# Altium PCB main Var2.PcbDoc (part 1 of 2)
Units mil, origin at the board's own origin, x right, y up, seen from the top; angles counter-clockwise.
Board outline 6000 x 4000 mil, 2 copper layers (Top Layer, Bottom Layer); 262 components, 263 nets, 1037 pads, 23 vias.
Unrouted connection lines stored in the file: 705.
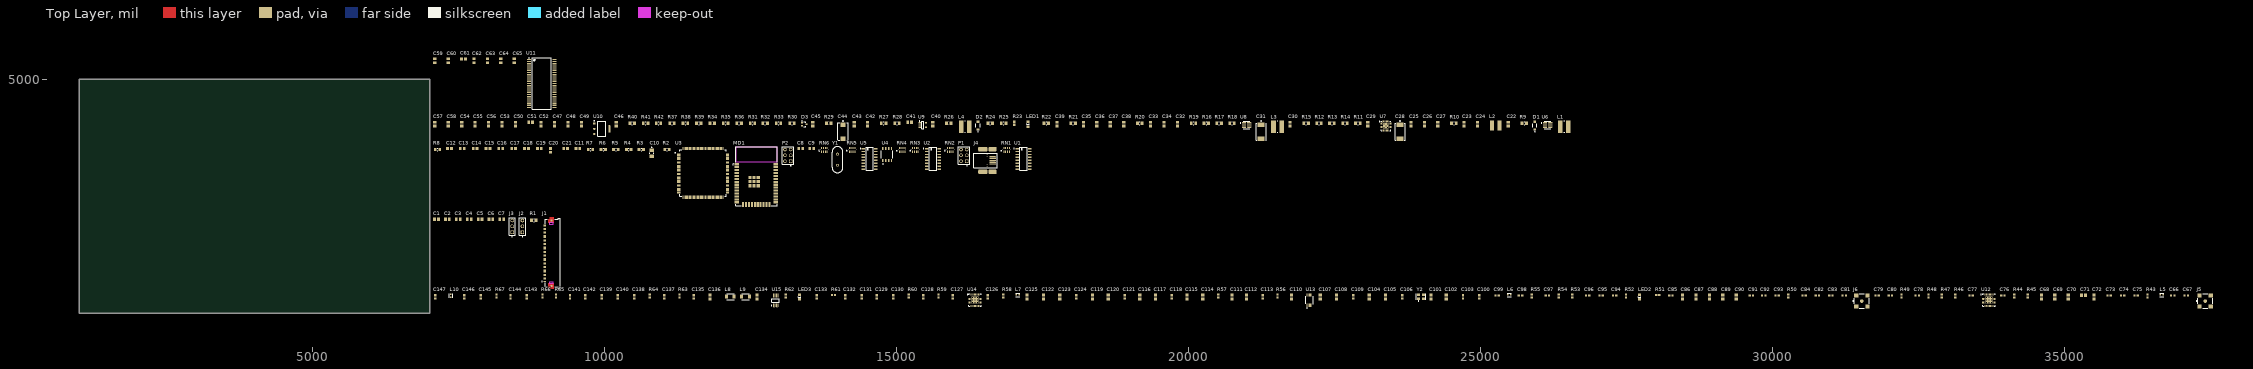
[diagram p0: Top Layer view]
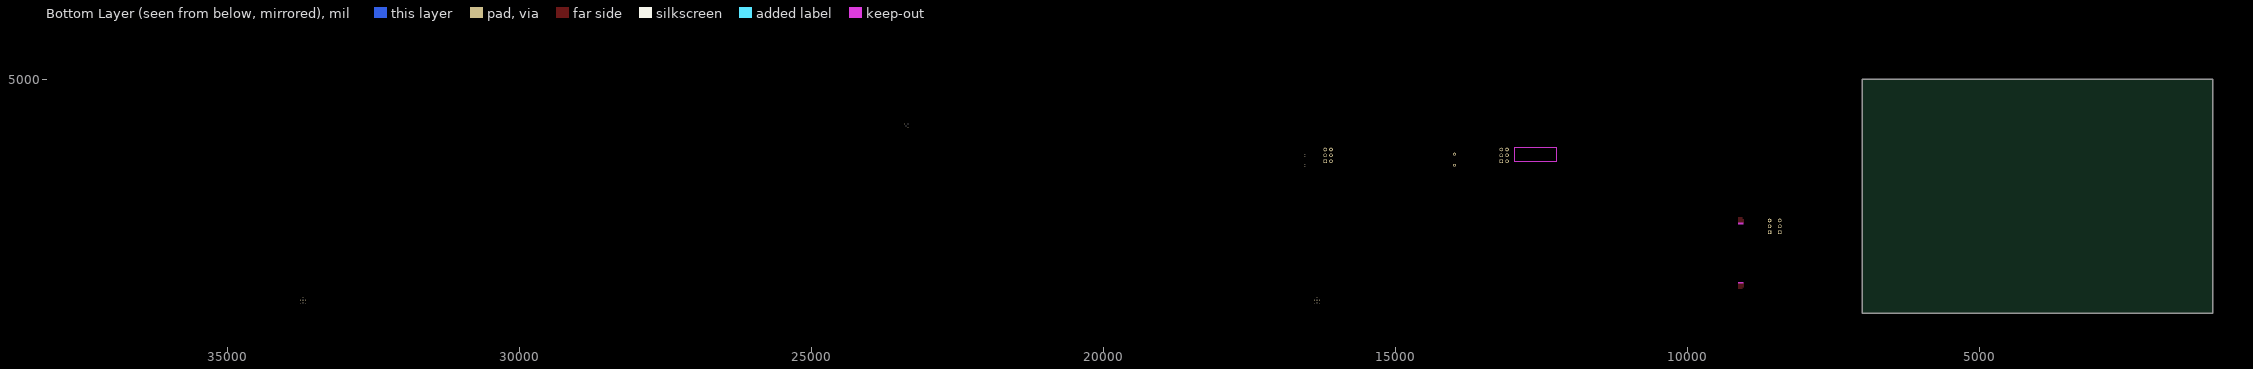
[diagram p1: Bottom Layer view, seen from below]

## Layer stack, top to bottom
Top Solder: solder mask 0.4, Solder Resist, Dk 3.5
Top Layer: signal copper 1.4
Dielectric 1: dielectric 12.6, FR-4, Dk 4.8
Bottom Layer: signal copper 1.4
Bottom Solder: solder mask 0.4, Solder Resist, Dk 3.5

## Board outline
1000,1000 7000,1000 7000,5000 1000,5000

## Design rules (kind name [scope] priority, off if disabled: settings)
Clearance [All] p1: gap=10 ignorepadtopadclearanceinfootprint=FALSE except(0: Arc-Hole Track-Hole SMDPad-Hole THPad-Hole Via-Hole Fill-Hole Poly-Hole Region-Hole Text-Hole)
DiffPairsRouting [All] p1: maxlimit=10 minlimit=10 mostfreqgap=10 toplayer_minwidth=15 toplayer_maxwidth=15 toplayer_prefwidth=15 bottomlayer_minwidth=15 bottomlayer_maxwidth=15 bottomlayer_prefwidth=15 maxuncoupledlength=500
PolygonConnect [All] p1: connectstyle=Relief reliefconductorwidth=10 reliefentries=4 polygonreliefangle="90 Angle" airgapwidth=10
RoomDefinition SDRAM [InComponentClass('SDRAM')] p1: confinementstyle=ConfineIn formatcopy=TRUE lockcomponents=FALSE outline 7045,4465 9205,4465 9205,5495 7045,5495
RoomDefinition Power [InComponentClass('Power')] p2: confinementstyle=ConfineIn formatcopy=TRUE lockcomponents=FALSE outline 7045,3930 26565,3930 26565,4410 7045,4410
RoomDefinition MCU [InComponentClass('MCU')] p3: confinementstyle=ConfineIn formatcopy=TRUE lockcomponents=FALSE outline 7045,2805 17320,2805 17320,3960 7045,3960
RoomDefinition LCD [InComponentClass('LCD')] p4: confinementstyle=ConfineIn formatcopy=TRUE lockcomponents=FALSE outline 7045,1400 9255,1400 9255,2750 7045,2750
RoomDefinition Analog [InComponentClass('Analog')] p5: confinementstyle=ConfineIn formatcopy=TRUE lockcomponents=FALSE outline 7045,1060 37550,1060 37550,1450 7045,1450
RoutingVias [All] p1: holewidth=28 width=50 viastyle="Through Hole" minholewidth=28 minwidth=50 maxholewidth=28 maxwidth=50
SolderMaskExpansion [All] p1: expansion=4
Width [All] p1: maxlimit=10 minlimit=10 preferedwidth=10
29 further rules are at their usual default settings.

## Classes and differential pairs
component class SDRAM: C59 C60 C61 C62 C63 C64 C65 U11
component class Power: *10 *11 *12 *13 *14 *15 *16 *17 *18 *19 *20 C22 C23 C24 C25 C26 C27 C28 C29 C30 C31 C32 C33 C34 C35 C36 C37 C38 C39 C40 C41 C42 C43 C44 C45 C46 C47 C48 C49 C50 C51 C52 C53 C54 C55 C56 C57 C58 D1 D2 D3 I*1 L1 L2 L3 L4 LED1 R9 R10 R11 R12 R13 R14 R15 R16 R17 R18 R19 R20 R21 R22 R23 R24 R25 R26 R27 R28 R29 R30 R31 R32 R33 R34 R35 R36 R37 R38 R39 R40 R41 R42 "TP *1" U6 U7 U8 U9 U10
component class MCU: *1 *2 *3 *4 *5 *6 *7 *8 *9 C8 C9 C10 C11 C12 C13 C14 C15 C16 C17 C18 C19 C20 C21 J4 MD1 P1 P2 R2 R3 R4 R5 R6 R7 R8 RN1 RN2 RN3 RN4 RN5 RN6 U1 U2 U3 U4 U5 Y1
component class LCD: C1 C2 C3 C4 C5 C6 C7 J1 J2 J3 R1
component class Analog: *21 *22 *23 C66 C67 C68 C69 C70 C71 C72 C73 C74 C75 C76 C77 C78 C79 C80 C81 C82 C83 C84 C85 C86 C87 C88 C89 C90 C91 C92 C93 C94 C95 C96 C97 C98 C99 C100 C101 C102 C103 C104 C105 C106 C107 C108 C109 C110 C111 C112 C113 C114 C115 C116 C117 C118 C119 C120 C121 C122 C123 C124 C125 C126 C127 C128 C129 C130 C131 C132 C133 C134 C135 C136 C137 C138 C139 C140 C141 C142 C143 C144 C145 C146 C147 J5 J6 L5 L6 L7 L8 L9 L10 LED2 LED3 MIX1 R43 R44 R45 R46 R47 R48 R49 R50 R51 R52 R53 R54 R55 R56 R57 R58 R59 R60 R61 R62 R63 R64 R65 R66 R67 U12 U13 U14 U15 U*1 U*2 U*3 U*4 U*5 U*6 Y2
differential pair USB_D: +USB_D_P -USB_D_N

## Components (designator, comment, footprint, x,y, rotation, side; value= is the part's Value field where it differs from the comment)
C1 "100nf" CAPC2013X70X45NL10T25 7120,2605 r0 top
C2 "100nf" CAPC2013X70X45NL10T25 7305,2605 r0 top
C3 "100nf" CAPC2013X70X45NL10T25 7490,2605 r0 top
C4 "100nf" CAPC2013X70X45NL10T25 7680,2605 r0 top
C5 "100nf" CAPC2013X70X45NL10T25 7865,2605 r0 top
C6 "100nf" CAPC2013X70X45NL10T25 8050,2605 r0 top
C7 "100nf" CAPC2013X70X45NL10T25 8235,2605 r0 top
C8 "4.3pf" CAPC2013X70X45NL10T25 13355,3815 r0 top
C9 "4.3pf" CAPC2013X70X45NL10T25 13545,3815 r0 top
C10 "10uF 16V" FP-TAJA-MFG 10805,3735 r90 top
C11 "0.1uf" CAPC2013X70X45NL10T25 9540,3815 r0 top
C12 "100nf" CAPC2013X70X45NL10T25 7340,3815 r0 top
C13 "100nf" CAPC2013X70X45NL10T25 7560,3815 r0 top
C14 "100nf" CAPC2013X70X45NL10T25 7780,3815 r0 top
C15 "100nf" CAPC2013X70X45NL10T25 8000,3815 r0 top
C16 "100nf" CAPC2013X70X45NL10T25 8220,3815 r0 top
C17 "100nf" CAPC2013X70X45NL10T25 8440,3815 r0 top
C18 "100nf" CAPC2013X70X45NL10T25 8660,3815 r0 top
C19 "100nf" CAPC2013X70X45NL10T25 8880,3815 r0 top
C20 "100nf" CAPC2013X70X45NL10T25 9070,3785 r90 top
C21 "100nf" CAPC2013X70X45NL10T25 9330,3815 r0 top
C22 "0.1uf" CAPC2013X70X45NL10T25 25470,4235 r90 top
C23 "22uf" CAPC2013X70X45NL10T25 24715,4235 r90 top
C24 "22uf" CAPC2013X70X45NL10T25 24945,4235 r90 top
C25 "10uf" CAPC2013X70X45NL10T25 23805,4235 r90 top
C26 "10uf" CAPC2013X70X45NL10T25 24035,4235 r90 top
C27 "0.1uf" CAPC2013X70X45NL10T25 24265,4235 r90 top
C28 "22uf" FP-TAJD-MFG 23620,4105 r90 top
C29 "6.8pf" CAPC2013X70X45NL10T25 23065,4235 r90 top
C30 "220nf" CAPC2013X70X45NL10T25 21735,4235 r90 top
C31 "22uf" FP-TAJD-MFG 21240,4105 r90 top
C32 "0.1uf" CAPC2013X70X45NL10T25 19805,4235 r90 top
C33 "22uf" CAPC2013X70X45NL10T25 19345,4235 r90 top
C34 "22uf" CAPC2013X70X45NL10T25 19575,4235 r90 top
C35 "10uf" CAPC2013X70X45NL10T25 18195,4235 r90 top
C36 "10uf" CAPC2013X70X45NL10T25 18425,4235 r90 top
C37 "0.1uf" CAPC2013X70X45NL10T25 18655,4235 r90 top
C38 "1uf" CAPC2013X70X45NL10T25 18885,4235 r90 top
C39 "1nf" CAPC2013X70X45NL10T25 17745,4235 r90 top
C40 "220nf" CAPC2013X70X45NL10T25 15615,4235 r90 top
C41 "1nf" CAPC2013X70X45NL10T25 15220,4265 r0 top
C42 "22pf" CAPC2013X70X45NL10T25 14500,4235 r90 top
C43 "1uf" CAPC2013X70X45NL10T25 14270,4235 r90 top
C44 "100uf 16V" FP-T491D107K016AT-MFG 14080,4105 r90 top
C45 "10uf" CAPC2013X70X45NL10T25 13560,4235 r90 top
C46 "220nf" CAPC2013X70X45NL10T25 10195,4235 r90 top
C47 "220nf" CAPC2013X70X45NL10T25 9140,4235 r90 top
C48 "100nf" CAPC2013X70X45NL10T25 9370,4235 r90 top
C49 "10nf" CAPC2013X70X45NL10T25 9600,4235 r90 top
C50 "220nf" CAPC2013X70X45NL10T25 8470,4235 r90 top
C51 "100nf" CAPC2013X70X45NL10T25 8730,4265 r0 top
C52 "10nf" CAPC2013X70X45NL10T25 8910,4235 r90 top
C53 "100nf" CAPC2013X70X45NL10T25 8240,4235 r90 top
C54 "1uf" CAPC2013X70X45NL10T25 7550,4235 r90 top
C55 "100nf" CAPC2013X70X45NL10T25 7780,4235 r90 top
C56 "1uf" CAPC2013X70X45NL10T25 8010,4235 r90 top
C57 "220nf" CAPC2013X70X45NL10T25 7090,4235 r90 top
C58 "220nf" CAPC2013X70X45NL10T25 7320,4235 r90 top
C59 "100nf" CAPC2013X70X45NL10T25 7090,5320 r90 top
C60 "100nf" CAPC2013X70X45NL10T25 7320,5320 r90 top
C61 "100nf" CAPC2013X70X45NL10T25 7580,5350 r0 top
C62 "100nf" CAPC2013X70X45NL10T25 7760,5320 r90 top
C63 "100nf" CAPC2013X70X45NL10T25 7990,5320 r90 top
C64 "100nf" CAPC2013X70X45NL10T25 8220,5320 r90 top
C65 "100nf" CAPC2013X70X45NL10T25 8450,5320 r90 top
C66 "10nF" CAPC1608X90X35ML10T15 36850,1300 r0 top
C67 "10nF" CAPC1608X90X35ML10T15 37080,1300 r0 top
C68 "1uf" CAPC2013X70X45NL10T25 34600,1275 r90 top
C69 "1uf" CAPC2013X70X45NL10T25 34830,1275 r90 top
C70 "1uf" CAPC2013X70X45NL10T25 35060,1275 r90 top
C71 "1uf" CAPC2013X70X45NL10T25 35320,1305 r0 top
C72 "1uf" CAPC2013X70X45NL10T25 35500,1275 r90 top
C73 "100nF" CAPC1608X90X35ML10T15 35760,1300 r0 top
C74 "100nF" CAPC1608X90X35ML10T15 35990,1300 r0 top
C75 "100nF" CAPC1608X90X35ML10T15 36220,1300 r0 top
C76 "1nF" CAPC1608X90X35ML10T15 33940,1300 r0 top
C77 "1nF" CAPC1608X90X35ML10T15 33395,1300 r0 top
C78 "10pF" CAPC1608X90X35ML10T15 32475,1300 r0 top
C79 "100nF" CAPC1608X90X35ML10T15 31785,1300 r0 top
C80 "100nF" CAPC1608X90X35ML10T15 32015,1300 r0 top
C81 "100nF" CAPC1608X90X35ML10T15 31225,1300 r0 top
C82 "10nF" CAPC1608X90X35ML10T15 30765,1300 r0 top
C83 "10nF" CAPC1608X90X35ML10T15 30995,1300 r0 top
C84 "10pF" CAPC1608X90X35ML10T15 30535,1300 r0 top
C85 "100nF" CAPC1608X90X35ML10T15 28255,1300 r0 top
C86 "1uf" CAPC2013X70X45NL10T25 28455,1275 r90 top
C87 "1uf" CAPC2013X70X45NL10T25 28685,1275 r90 top
C88 "1uf" CAPC2013X70X45NL10T25 28915,1275 r90 top
C89 "1uf" CAPC2013X70X45NL10T25 29145,1275 r90 top
C90 "1uf" CAPC2013X70X45NL10T25 29375,1275 r90 top
C91 "100nF" CAPC1608X90X35ML10T15 29635,1300 r0 top
C92 "100nF" CAPC1608X90X35ML10T15 29845,1300 r0 top
C93 "100nF" CAPC1608X90X35ML10T15 30075,1300 r0 top
C94 "10pF" CAPC1608X90X35ML10T15 27290,1300 r0 top
C95 "100nF" CAPC1608X90X35ML10T15 27060,1300 r0 top
C96 "39nF" CAPC1608X90X35ML10T15 26830,1300 r0 top
C97 "2.7nF" CAPC1608X90X35ML10T15 26140,1300 r0 top
C98 "680pF" CAPC1608X90X35ML10T15 25680,1300 r0 top
C99 "100nF" CAPC1608X90X35ML10T15 25280,1300 r0 top
C100 "1nF" CAPC1608X90X35ML10T15 24975,1275 r90 top
C101 "1uf" CAPC2013X70X45NL10T25 24150,1275 r90 top
C102 "1uf" CAPC2013X70X45NL10T25 24410,1275 r90 top
C103 "100nF" CAPC1608X90X35ML10T15 24695,1275 r90 top
C104 "1uf" CAPC2013X70X45NL10T25 23090,1275 r90 top
C105 "1uf" CAPC2013X70X45NL10T25 23370,1275 r90 top
C106 "100nF" CAPC1608X90X35ML10T15 23655,1275 r90 top
C107 "1uf" CAPC2013X70X45NL10T25 22250,1275 r90 top
C108 "1uf" CAPC2013X70X45NL10T25 22530,1275 r90 top
C109 "100nF" CAPC1608X90X35ML10T15 22815,1275 r90 top
C110 "1uf" CAPC2013X70X45NL10T25 21760,1275 r90 top
C111 "1uf" CAPC2013X70X45NL10T25 20740,1275 r90 top
C112 "1uf" CAPC2013X70X45NL10T25 20990,1275 r90 top
C113 "100nF" CAPC1608X90X35ML10T15 21265,1275 r90 top
C114 "1uf" CAPC2013X70X45NL10T25 20240,1275 r90 top
C115 "1uf" CAPC2013X70X45NL10T25 19970,1275 r90 top
C116 "1uf" CAPC2013X70X45NL10T25 19160,1275 r90 top
C117 "1uf" CAPC2013X70X45NL10T25 19430,1275 r90 top
C118 "100nF" CAPC1608X90X35ML10T15 19705,1275 r90 top
C119 "1uf" CAPC2013X70X45NL10T25 18350,1275 r90 top
C120 "1uf" CAPC2013X70X45NL10T25 18620,1275 r90 top
C121 "100nF" CAPC1608X90X35ML10T15 18905,1275 r90 top
C122 "1uf" CAPC2013X70X45NL10T25 17510,1275 r90 top
C123 "1uf" CAPC2013X70X45NL10T25 17790,1275 r90 top
C124 "100nF" CAPC1608X90X35ML10T15 18075,1275 r90 top
C125 "1uf" CAPC2013X70X45NL10T25 17230,1275 r90 top
C126 "1nF" CAPC1608X90X35ML10T15 16555,1275 r90 top
C127 "1nF" CAPC1608X90X35ML10T15 15960,1275 r90 top
C128 "10pF" CAPC1608X90X35ML10T15 15450,1275 r90 top
C129 "100nF" CAPC1608X90X35ML10T15 14660,1275 r90 top
C130 "100nF" CAPC1608X90X35ML10T15 14940,1275 r90 top
C131 "100nF" CAPC1608X90X35ML10T15 14400,1275 r90 top
C132 "10pF" CAPC1608X90X35ML10T15 14120,1275 r90 top
C133 "100nF" CAPC1608X90X35ML10T15 13630,1275 r90 top
C134 "1uf" CAPC2013X70X45NL10T25 12605,1275 r90 top
C135 "10pF" CAPC1608X90X35ML10T15 11525,1275 r90 top
C136 "1uf" CAPC2013X70X45NL10T25 11800,1275 r90 top
C137 "100nF" CAPC1608X90X35ML10T15 11015,1275 r90 top
C138 "4.7nF" CAPC1608X90X35ML10T15 10505,1275 r90 top
C139 "10nF" CAPC1608X90X35ML10T15 9945,1275 r90 top
C140 "15nF" CAPC1608X90X35ML10T15 10225,1275 r90 top
C141 "38nF" CAPC1608X90X35ML10T15 9405,1275 r90 top
C142 "33nF" CAPC1608X90X35ML10T15 9665,1275 r90 top
C143 "68pF" CAPC1608X90X35ML10T15 8665,1275 r90 top
C144 "100nF" CAPC1608X90X35ML10T15 8385,1275 r90 top
C145 "10nF" CAPC1608X90X35ML10T15 7875,1275 r90 top
C146 "68pF" CAPC1608X90X35ML10T15 7595,1275 r90 top
C147 "100nF" CAPC1608X90X35ML10T15 7095,1275 r90 top
D1 "MBR0540" FP-425-04-MFG 25925,4210 r90 top
D2 "MBR0540" FP-425-04-MFG 16390,4210 r90 top
D3 "BAT54SWT1G" ONSC-SOT-323-3-419-04_V 13415,4230 r0 top
J1 "54104-5031" MOLX-54104-5031 9030,2025 r90 top
J2 "22-10-2031" FP-22-10-2031-MFG 8590,2485 r90 top
J3 "22-10-2031" FP-22-10-2031-MFG 8415,2485 r90 top
J4 "67503-1020" MOLX-67503-1020_V 16640,3675 r0 top
J5 "RF OUT" FP-73251-1350-MFG 37405,1205 r0 top
J6 "RF IN" FP-73251-1350-MFG 31525,1205 r0 top
L1 "4.7uH" WE-TPC-4818-M 26430,4190 r0 top
L2 "10uH" WE-PD2-S 25260,4210 r0 top
L3 "2.2uH" WE-TPC-4818-M 21520,4190 r0 top
L4 "10uH" WE-TPC-4818-M 16170,4190 r0 top
L5 "3.9nH" FP-LQG18HH_00-MFG 36660,1310 r0 top
L6 "3.9nH" FP-LQG18HH_00-MFG 25490,1310 r0 top
L7 "3.9nH" FP-LQG18HH_00-MFG 17070,1310 r0 top
L8 "68uH" SMD-1210 12150,1280 r0 top
L9 "100uH" SMD-1210 12410,1280 r0 top
L10 "3.9nH" FP-LQG18HH_00-MFG 7365,1295 r90 top
LED1 "LED POWER" 0805_A 17245,4235 r90 top
LED2 "LED LOCK" 0805_A 27720,1275 r90 top
LED3 "LED LOCK" 0805_A 13335,1275 r90 top
MD1 "ESP32-WROOM-32" FP-ESP32-WROOM-32-MFG 12595,3340 r0 top
P1 "TSW-103-08-L-D" SMTC-TSW-103-08-L-D_V 16150,3700 r90 top
P2 "Sucking Fuck" SMTC-TSW-103-08-L-D_V 13135,3700 r90 top
R1 "10k" RESC2013X60X35ML10T20 8785,2590 r0 top
R2 "10k" RESC2013X60X35ML10T20 11065,3800 r0 top
R3 "0" RESC2013X60X35ML10T20 10625,3800 r0 top
R4 "4k7" RESC2013X60X35ML10T20 10410,3800 r0 top
R5 "4k7" RESC2013X60X35ML10T20 10190,3800 r0 top
R6 "0" RESC2013X60X35ML10T20 9975,3800 r0 top
R7 "10k" RESC2013X60X35ML10T20 9755,3800 r0 top
R8 "10k" RESC2013X60X35ML10T20 7135,3800 r0 top
R9 "54.9k" RESC2013X60X35ML10T20 25745,4250 r0 top
R10 "10k" RESC2013X60X35ML10T20 24540,4250 r0 top
R11 "10k" RESC2013X60X35ML10T20 22895,4250 r0 top
R12 "430k" RESC2013X60X35ML10T20 22230,4250 r0 top
R13 "12k" RESC2013X60X35ML10T20 22450,4250 r0 top
R14 "0k" RESC2013X60X35ML10T20 22675,4250 r0 top
R15 "10k" RESC2013X60X35ML10T20 22010,4250 r0 top
R16 "51k" RESC2013X60X35ML10T20 20300,4250 r0 top
R17 "3.9k" RESC2013X60X35ML10T20 20520,4250 r0 top
R18 "0k" RESC2013X60X35ML10T20 20740,4250 r0 top
R19 "33.2k" RESC2013X60X35ML10T20 20080,4250 r0 top
R20 "10k" RESC2013X60X35ML10T20 19160,4250 r0 top
R21 "10k" RESC2013X60X35ML10T20 18020,4250 r0 top
R22 "15k" RESC2013X60X35ML10T20 17560,4250 r0 top
R23 "2k2" RESC1608X50X30NL20T20 17010,4250 r90 top
R24 "750k" RESC2013X60X35ML10T20 16600,4250 r0 top
R25 "56k" RESC2013X60X35ML10T20 16830,4250 r0 top
R26 "470k" RESC2013X60X35ML10T20 15890,4250 r0 top
R27 "33k" RESC2013X60X35ML10T20 14775,4250 r0 top
R28 "620k" RESC2013X60X35ML10T20 15005,4250 r0 top
R29 "30k" RESC2013X60X35ML10T20 13835,4250 r0 top
R30 "100k" RESC2013X60X35ML10T20 13205,4250 r0 top
R31 "430k" RESC2013X60X35ML10T20 12530,4250 r0 top
R32 "12k" RESC2013X60X35ML10T20 12745,4250 r0 top
R33 "0k" RESC2013X60X35ML10T20 12975,4250 r0 top
R34 "560k" RESC2013X60X35ML10T20 11840,4250 r0 top
R35 "100k" RESC2013X60X35ML10T20 12070,4250 r0 top
R36 "5.1k" RESC2013X60X35ML10T20 12300,4250 r0 top
R37 "75k" RESC2013X60X35ML10T20 11150,4250 r0 top
R38 "1.8k" RESC2013X60X35ML10T20 11380,4250 r0 top
R39 "0k" RESC2013X60X35ML10T20 11610,4250 r0 top
R40 "51k" RESC2013X60X35ML10T20 10470,4250 r0 top
R41 "3.9k" RESC2013X60X35ML10T20 10700,4250 r0 top
R42 "0k" RESC2013X60X35ML10T20 10920,4250 r0 top
R43 "50" RESC1608X50X30NL20T20 36415,1290 r90 top
R44 "0" RESC1608X50X30NL20T20 34135,1290 r90 top
R45 "0" RESC1608X50X30NL20T20 34365,1290 r90 top
R46 "0" RESC1608X50X30NL20T20 33125,1290 r90 top
R47 "50" RESC1608X50X30NL20T20 32895,1290 r90 top
R48 "0" RESC1608X50X30NL20T20 32665,1290 r90 top
R49 "0" RESC1608X50X30NL20T20 32205,1290 r90 top
R50 "4k7" RESC1608X50X30NL20T20 30265,1290 r90 top
R51 "50" RESC1608X50X30NL20T20 28030,1310 r0 top
R52 "2k2" RESC1608X50X30NL20T20 27485,1290 r90 top
R53 "100" RESC1608X50X30NL20T20 26565,1290 r90 top
R54 "1k" RESC1608X50X30NL20T20 26335,1290 r90 top
R55 "330" RESC1608X50X30NL20T20 25875,1290 r90 top
R56 "120" RESC1608X50X30NL20T20 21520,1290 r90 top
R57 "220" RESC1608X50X30NL20T20 20505,1290 r90 top
R58 "0" RESC1608X50X30NL20T20 16825,1290 r90 top
R59 "50" RESC1608X50X30NL20T20 15715,1290 r90 top
R60 "0" RESC1608X50X30NL20T20 15205,1290 r90 top
R61 "4k7" RESC1608X50X30NL20T20 13920,1310 r0 top
R62 "2k2" RESC1608X50X30NL20T20 13100,1290 r90 top
R63 "52.3" RESC1608X50X30NL20T20 11280,1290 r90 top
R64 "47k" RESC1608X50X30NL20T20 10770,1290 r90 top
R65 "470" RESC1608X50X30NL20T20 9165,1290 r90 top
R66 "1k" RESC1608X50X30NL20T20 8935,1290 r90 top
R67 "1k" RESC1608X50X30NL20T20 8145,1290 r90 top
RN1 "100" FP-742C083-MFG 16880,3795 r0 top
RN2 "100" FP-742C083-MFG 15915,3795 r0 top
RN3 "100" FP-742C083-MFG 15320,3795 r0 top
RN4 "100" FP-742C083-MFG 15090,3795 r0 top
RN5 "100" FP-742C083-MFG 14235,3795 r0 top
RN6 "100" FP-742C083-MFG 13760,3795 r0 top
U1 "SN74HC595DR" FP-D0016A-MFG 17170,3640 r0 top
U2 "SN74HC595DR" FP-D0016A-MFG 15620,3640 r0 top
U3 "STM32F767ZIT6" FP-LQFP144-1A-MFG 11685,3400 r0 top
U4 "M95256-WMN6TP" FP-SO8N-SO-A-MFG 14835,3715 r90 top
U5 "SN74HC595DR" FP-D0016A-MFG 14535,3640 r0 top
U6 "TPS562208DDCR" FP-DDC0006A-IPC_A 26145,4220 r0 top
U7 "TPS65100RGERG4" TI-RGE24-2450X2450TP_V 23375,4205 r0 top
U8 "TPS562208DDCR" FP-DDC0006A-IPC_A 20990,4220 r0 top
U9 "TPS61040DBVR" DBV0005A_N 15445,4220 r0 top
U10 "ams1117-1.8" FP-ams1117-IPC_C 9950,4155 r0 top
U11 "W9812G6KH" MICT-TG-54_M 8920,4930 r0 top
U12 "ADF4351BCPZ" ADI-CP-32-2_N 33700,1220 r0 top
U13 "SI5351A-B-GTR" FP-SI5351A-B-GTR-MFG 22065,1220 r90 top
U14 "ADF4351BCPZ" ADI-CP-32-2_N 16340,1220 r0 top
U15 "AD8310ARMZ-REEL7" ADI-RM-8_N 12925,1215 r90 top
Y1 "20M" FOX-FOXSLF-2_V 13985,3625 r90 top
Y2 "25MHz" FP-ASE-MFG 23975,1280 r0 top

## Footprints (in the part's own frame and the unit in brackets; to place one, negate y for a bottom-side part, rotate by r counter-clockwise, add the part's x,y. Pads: shape width x height; smd on the part's side, far side on the other; paste and mask are expansions set on the pad)
0805_A [mm] "Chip LED, 2-Leads, Body 2.0x1.3mm, IPC Medium Density"
  rect 1.1x1.2 smd: 1(-1.05,0) 2(1.05,0)
  silkscreen extent -0.15,-0.5 0.15,0.5, body extent -1,-0.62 1,0.63, height 0.68
ADI-CP-32-2_N [mm] "QFN, 32-Leads, Body 5x5mm, Pitch 0.5mm, Thermal Pad 3.1x3.1mm, IPC Medium Density"
  oval 0.9x0.25 smd: 1(-2.45,1.75) 2(-2.45,1.25) 3(-2.45,0.75) 4(-2.45,0.25) 5(-2.45,-0.25) 6(-2.45,-0.75) 7(-2.45,-1.25) 8(-2.45,-1.75) 17(2.45,-1.75) 18(2.45,-1.25) 19(2.45,-0.75) 20(2.45,-0.25) 21(2.45,0.25) 22(2.45,0.75) 23(2.45,1.25) 24(2.45,1.75)
  oval 0.25x0.9 smd: 9(-1.75,-2.45) 10(-1.25,-2.45) 11(-0.75,-2.45) 12(-0.25,-2.45) 13(0.25,-2.45) 14(0.75,-2.45) 15(1.25,-2.45) 16(1.75,-2.45) 25(1.75,2.45) 26(1.25,2.45) 27(0.75,2.45) 28(0.25,2.45) 29(-0.25,2.45) 30(-0.75,2.45) 31(-1.25,2.45) 32(-1.75,2.45)
  rect 3.1x3.1 smd: 33(0,0)
  silkscreen extent -3.47,-2.7 2.7,2.7, body extent -2.55,-2.55 2.55,2.55, height 1
ADI-RM-8_N [mm] "TSOP, 8-Leads, Body 3x3mm, Pitch 0.65mm, IPC Medium Density"
  oval 1.7x0.45 smd: 1(-2.1,0.975) 2(-2.1,0.325) 3(-2.1,-0.325) 4(-2.1,-0.975) 5(2.1,-0.975) 6(2.1,-0.325) 7(2.1,0.325) 8(2.1,0.975)
  silkscreen extent -2.22,-1.6 0.85,1.87, body extent -1.6,-1.6 1.6,1.6, height 1.1
CAPC1608X90X35ML10T15 [mm] "Chip Capacitor, 2-Leads, Body 1.7x0.9mm, IPC Low Density"
  rect 0.95x1.05 smd: 1(-0.725,0) 2(0.725,0)
  body extent -0.85,-0.45 0.85,0.45, height 0.9
CAPC2013X70X45NL10T25 [mm] "Chip Capacitor, 2-Leads, Body 2.00x1.25mm, IPC Medium Density"
  rect 1.2x1.4 smd: 1(-0.85,0) 2(0.85,0)
  body extent -1.05,-0.67 1.05,0.67, height 0.7
DBV0005A_N [mm] "SOT23, 5-Leads, Body 3.05x1.75mm, Pitch 0.95mm, IPC Medium Density"
  rrect17% 1x0.6 smd: 1(-1.375,0.95) 2(-1.375,0) 3(-1.375,-0.95) 4(1.375,-0.95) 5(1.375,0.95)
  silkscreen extent -1.5,-1.55 0.5,1.92, body extent -1.42,-1.46 1.42,1.46, height 1.08
FOX-FOXSLF-2_V [mm] "THD, 2-Leads, Body 11.35x4.65mm, Pitch 4.88mm"
  round 1.2 hole 0.7: 1(-2.44,0) 2(2.44,0)
  silkscreen extent -5.68,-2.32 5.68,2.32, body extent -5.67,-2.32 5.68,2.32, height 3.6
FP-22-10-2031-MFG [mm]
  rect 1.57x1.57 hole 1.02 paste-1000 mask+0: 1(-2.54,0)
  round 1.57 hole 1.02 paste-1000 mask+0: 2(0,0) 3(2.54,0)
  silkscreen extent -4.5,-1.37 3.78,1.37, body extent -3.89,-1.47 3.89,1.47, height 0.25
FP-425-04-MFG [mil]
  rect 36x48 smd paste+0 mask+0: 1(-64.5,0) 2(64.5,0)
  silkscreen extent -110,-35 32,35, body extent -86,-39 86,39, height 10
FP-742C083-MFG [mm]
  rect 0.45x0.9 smd paste+0 mask+0: 1(-1.2,-0.85) 2(-0.4,-0.85) 3(0.4,-0.85) 4(1.2,-0.85) 5(1.2,0.85) 6(0.4,0.85) 7(-0.4,0.85) 8(-1.2,0.85)
  silkscreen extent -2.42,-0.52 1.7,0.03, body extent -1.8,-1.4 1.8,1.4, height 0.25
FP-73251-1350-MFG [mil]
  round 60 smd paste+0 mask+0: 1(0,0)
  rect 70x70 smd paste+0 mask+0: 2(-95,95) 3(95,95) 4(-95,-95) 5(95,-95)
  silkscreen extent -155,-127 127,127, body extent -134,-134 134,134, height 10
FP-ams1117-IPC_C [mm]
  rect 1.004x0.872 smd paste+0 mask+0: 1(-3.295,2.29)
  rrect100% 1.004x0.872 smd paste+0 mask+0: 2(-3.295,0) 3(-3.295,-2.29)
  rrect87% 1.004x3.182 smd paste+0 mask+0: 4(3.295,0)
  silkscreen extent -3.42,-3.25 1.75,3.62, body extent -3.9,-3.35 3.9,3.35, height 0.25
FP-ASE-MFG [mm]
  rect 1.3x1.1 smd paste+0 mask+0: 1(-1.05,-0.825) 2(1.05,-0.825) 3(1.05,0.825) 4(-1.05,0.825)
  silkscreen extent -2.07,-2.05 2.07,1.35, body extent -1.8,-1.48 1.8,1.48, height 0.25
FP-D0016A-MFG [mm]
  rect 1.55x0.6 smd paste-1000 mask+0: 1(-2.7,4.445) 2(-2.7,3.175) 3(-2.7,1.905) 4(-2.7,0.635) 5(-2.7,-0.635) 6(-2.7,-1.905) 7(-2.7,-3.175) 8(-2.7,-4.445) 9(2.7,-4.445) 10(2.7,-3.175) 11(2.7,-1.905) 12(2.7,-0.635) 13(2.7,0.635) 14(2.7,1.905) 15(2.7,3.175) 16(2.7,4.445)
  silkscreen extent -4.18,-5 1.55,5, body extent -3.57,-5.25 3.57,5.25, height 0.25
FP-DDC0006A-IPC_A [mm]
  rect 1.854x0.612 smd paste+0 mask+0: 1(-1.15,0.95)
  rrect100% 1.854x0.612 smd paste+0 mask+0: 2(-1.15,0) 3(-1.15,-0.95) 4(1.15,-0.95) 5(1.15,0) 6(1.15,0.95)
  silkscreen extent -2.77,-1.7 1.4,1.7, body extent -2.58,-1.95 2.58,1.95, height 0.25
FP-ESP32-WROOM-32-MFG [mm]
  rect 2x0.9 smd paste+0 mask+0: 1(-8.5,5.26) 2(-8.5,3.99) 3(-8.5,2.72) 4(-8.5,1.45) 5(-8.5,0.18) 6(-8.5,-1.09) 7(-8.5,-2.36) 8(-8.5,-3.63) 9(-8.5,-4.9) 10(-8.5,-6.17) 11(-8.5,-7.44) 12(-8.5,-8.71) 13(-8.5,-9.98) 14(-8.5,-11.25) 25(8.5,-11.25) 26(8.5,-9.98) 27(8.5,-8.71) 28(8.5,-7.44) 29(8.5,-6.17) 30(8.5,-4.9) 31(8.5,-3.63) 32(8.5,-2.36) 33(8.5,-1.09) 34(8.5,0.18) 35(8.5,1.45) 36(8.5,2.72) 37(8.5,3.99) 38(8.5,5.26)
  rect 0.9x2 smd paste+0 mask+0: 15(-5.715,-12.25) 16(-4.445,-12.25) 17(-3.175,-12.25) 18(-1.905,-12.25) 19(-0.635,-12.25) 20(0.635,-12.25) 21(1.905,-12.25) 22(3.175,-12.25) 23(4.445,-12.25) 24(5.715,-12.25)
  rect 1.33x1.33 smd paste+0 mask+0: 39(-2.835,-4.075) 39(-2.835,-2.24) 39(-2.835,-0.405) 39(-1,-4.075) 39(-1,-2.24) 39(-1,-0.405) 39(0.835,-4.075) 39(0.835,-2.24) 39(0.835,-0.405)
  Keep-Out Layer region: -9,6.45 9,6.45 9,12.75 -9,12.75
  Keep-Out Layer region: -9,6.45 9,6.45 9,12.75 -9,12.75
  silkscreen extent -10.25,-12.8 9.05,12.8, body extent -9.6,-13.35 9.6,12.9, height 0.25
FP-LQFP144-1A-MFG [mm]
  rect 1.35x0.35 smd paste+0 mask+0: 1(-10.625,8.75) 2(-10.625,8.25) 3(-10.625,7.75) 4(-10.625,7.25) 5(-10.625,6.75) 6(-10.625,6.25) 7(-10.625,5.75) 8(-10.625,5.25) 9(-10.625,4.75) 10(-10.625,4.25) 11(-10.625,3.75) 12(-10.625,3.25) 13(-10.625,2.75) 14(-10.625,2.25) 15(-10.625,1.75) 16(-10.625,1.25) 17(-10.625,0.75) 18(-10.625,0.25) 19(-10.625,-0.25) 20(-10.625,-0.75) 21(-10.625,-1.25) 22(-10.625,-1.75) 23(-10.625,-2.25) 24(-10.625,-2.75) 25(-10.625,-3.25) 26(-10.625,-3.75) 27(-10.625,-4.25) 28(-10.625,-4.75) 29(-10.625,-5.25) 30(-10.625,-5.75) 31(-10.625,-6.25) 32(-10.625,-6.75) 33(-10.625,-7.25) 34(-10.625,-7.75) 35(-10.625,-8.25) 36(-10.625,-8.75) 73(10.625,-8.75) 74(10.625,-8.25) 75(10.625,-7.75) 76(10.625,-7.25) 77(10.625,-6.75) 78(10.625,-6.25) 79(10.625,-5.75) 80(10.625,-5.25) 81(10.625,-4.75) 82(10.625,-4.25) 83(10.625,-3.75) 84(10.625,-3.25) 85(10.625,-2.75) 86(10.625,-2.25) 87(10.625,-1.75) 88(10.625,-1.25) 89(10.625,-0.75) 90(10.625,-0.25) 91(10.625,0.25) 92(10.625,0.75) 93(10.625,1.25) 94(10.625,1.75) 95(10.625,2.25) 96(10.625,2.75) 97(10.625,3.25) 98(10.625,3.75) 99(10.625,4.25) 100(10.625,4.75) 101(10.625,5.25) 102(10.625,5.75) 103(10.625,6.25) 104(10.625,6.75) 105(10.625,7.25) 106(10.625,7.75) 107(10.625,8.25) 108(10.625,8.75)
  rect 0.35x1.35 smd paste+0 mask+0: 37(-8.75,-10.625) 38(-8.25,-10.625) 39(-7.75,-10.625) 40(-7.25,-10.625) 41(-6.75,-10.625) 42(-6.25,-10.625) 43(-5.75,-10.625) 44(-5.25,-10.625) 45(-4.75,-10.625) 46(-4.25,-10.625) 47(-3.75,-10.625) 48(-3.25,-10.625) 49(-2.75,-10.625) 50(-2.25,-10.625) 51(-1.75,-10.625) 52(-1.25,-10.625) 53(-0.75,-10.625) 54(-0.25,-10.625) 55(0.25,-10.625) 56(0.75,-10.625) 57(1.25,-10.625) 58(1.75,-10.625) 59(2.25,-10.625) 60(2.75,-10.625) 61(3.25,-10.625) 62(3.75,-10.625) 63(4.25,-10.625) 64(4.75,-10.625) 65(5.25,-10.625) 66(5.75,-10.625) 67(6.25,-10.625) 68(6.75,-10.625) 69(7.25,-10.625) 70(7.75,-10.625) 71(8.25,-10.625) 72(8.75,-10.625) 109(8.75,10.625) 110(8.25,10.625) 111(7.75,10.625) 112(7.25,10.625) 113(6.75,10.625) 114(6.25,10.625) 115(5.75,10.625) 116(5.25,10.625) 117(4.75,10.625) 118(4.25,10.625) 119(3.75,10.625) 120(3.25,10.625) 121(2.75,10.625) 122(2.25,10.625) 123(1.75,10.625) 124(1.25,10.625) 125(0.75,10.625) 126(0.25,10.625) 127(-0.25,10.625) 128(-0.75,10.625) 129(-1.25,10.625) 130(-1.75,10.625) 131(-2.25,10.625) 132(-2.75,10.625) 133(-3.25,10.625) 134(-3.75,10.625) 135(-4.25,10.625) 136(-4.75,10.625) 137(-5.25,10.625) 138(-5.75,10.625) 139(-6.25,10.625) 140(-6.75,10.625) 141(-7.25,10.625) 142(-7.75,10.625) 143(-8.25,10.625) 144(-8.75,10.625)
  silkscreen extent -12.27,-10.1 10.1,10.1, body extent -11.4,-11.4 11.4,11.4, height 0.25
FP-LQG18HH_00-MFG [mm]
  rect 0.65x0.7 smd paste+0 mask+0: 1(-0.675,0) 2(0.675,0)
  silkscreen extent -0.87,-0.75 0.87,0.75, body extent -1.1,-0.58 1.1,0.58, height 0.25
FP-SI5351A-B-GTR-MFG [mm]
  rect 1.4x0.3 smd paste+0 mask+0: 1(-2.2,1) 2(-2.2,0.5) 3(-2.2,0) 4(-2.2,-0.5) 5(-2.2,-1) 6(2.2,-1) 7(2.2,-0.5) 8(2.2,0) 9(2.2,0.5) 10(2.2,1)
  silkscreen extent -3.57,-1.6 1.6,1.6, body extent -3,-1.7 3,1.7, height 0.25
FP-SO8N-SO-A-MFG [mm]
  rect 1.4x0.6 smd paste+0 mask+0: 1(-2.65,1.905) 2(-2.65,0.635) 3(-2.65,-0.635) 4(-2.65,-1.905) 5(2.65,-1.905) 6(2.65,-0.635) 7(2.65,0.635) 8(2.65,1.905)
  silkscreen extent -4.27,-2.5 1.58,2.5, body extent -3.45,-2.6 3.45,2.6, height 0.25
FP-T491D107K016AT-MFG [mm]
  rect 1.99x2.33 smd paste+0 mask+0: 1(-3.01,0) 2(3.01,0)
  silkscreen extent -3.8,-2.3 4.97,2.3, body extent -4.11,-2.4 4.11,2.4, height 0.25
FP-TAJA-MFG [mm]
  rect 1.4x1.8 smd paste+0 mask+0: 1(-1.3,0) 2(1.3,0)
  silkscreen extent -0.23,-0.9 2.9,0.9, body extent -2.1,-1 2.1,1, height 0.25
FP-TAJD-MFG [mm]
  rect 2x3 smd paste+0 mask+0: 1(-3,0) 2(3,0)
  silkscreen extent -3.75,-2.25 4.97,2.25, body extent -4.1,-2.35 4.1,2.35, height 0.25
MICT-TG-54_M [mm] "SOP, 54-Leads, Body 22.22x10.16mm, Pitch 0.8mm, IPC Low Density"
  oval 1.9x0.45 smd: 1(-5.55,10.4) 2(-5.55,9.6) 3(-5.55,8.8) 4(-5.55,8) 5(-5.55,7.2) 6(-5.55,6.4) 7(-5.55,5.6) 8(-5.55,4.8) 9(-5.55,4) 10(-5.55,3.2) 11(-5.55,2.4) 12(-5.55,1.6) 13(-5.55,0.8) 14(-5.55,0) 15(-5.55,-0.8) 16(-5.55,-1.6) 17(-5.55,-2.4) 18(-5.55,-3.2) 19(-5.55,-4) 20(-5.55,-4.8) 21(-5.55,-5.6) 22(-5.55,-6.4) 23(-5.55,-7.2) 24(-5.55,-8) 25(-5.55,-8.8) 26(-5.55,-9.6) 27(-5.55,-10.4) 28(5.55,-10.4) 29(5.55,-9.6) 30(5.55,-8.8) 31(5.55,-8) 32(5.55,-7.2) 33(5.55,-6.4) 34(5.55,-5.6) 35(5.55,-4.8) 36(5.55,-4) 37(5.55,-3.2) 38(5.55,-2.4) 39(5.55,-1.6) 40(5.55,-0.8) 41(5.55,0) 42(5.55,0.8) 43(5.55,1.6) 44(5.55,2.4) 45(5.55,3.2) 46(5.55,4) 47(5.55,4.8) 48(5.55,5.6) 49(5.55,6.4) 50(5.55,7.2) 51(5.55,8) 52(5.55,8.8) 53(5.55,9.6) 54(5.55,10.4)
  silkscreen extent -5.67,-11.15 4.2,11.3, body extent -5.1,-11.15 5.1,11.15, height 1.2
MOLX-54104-5031 [mm] "FPC Connector, 50-Leads, Right Angle, Pitch 0.5 mm, Mated Height 2.0 mm, SMT"
  rect 0.3x1.2 smd: 1(-12.25,1.5) 2(-11.75,1.5) 3(-11.25,1.5) 4(-10.75,1.5) 5(-10.25,1.5) 6(-9.75,1.5) 7(-9.25,1.5) 8(-8.75,1.5) 9(-8.25,1.5) 10(-7.75,1.5) 11(-7.25,1.5) 12(-6.75,1.5) 13(-6.25,1.5) 14(-5.75,1.5) 15(-5.25,1.5) 16(-4.75,1.5) 17(-4.25,1.5) 18(-3.75,1.5) 19(-3.25,1.5) 20(-2.75,1.5) 21(-2.25,1.5) 22(-1.75,1.5) 23(-1.25,1.5) 24(-0.75,1.5) 25(-0.25,1.5) 26(0.25,1.5) 27(0.75,1.5) 28(1.25,1.5) 29(1.75,1.5) 30(2.25,1.5) 31(2.75,1.5) 32(3.25,1.5) 33(3.75,1.5) 34(4.25,1.5) 35(4.75,1.5) 36(5.25,1.5) 37(5.75,1.5) 38(6.25,1.5) 39(6.75,1.5) 40(7.25,1.5) 41(7.75,1.5) 42(8.25,1.5) 43(8.75,1.5) 44(9.25,1.5) 45(9.75,1.5) 46(10.25,1.5) 47(10.75,1.5) 48(11.25,1.5) 49(11.75,1.5) 50(12.25,1.5)
  rect 1x1 smd: MP1(-14.25,-1.5) MP2(14.25,-1.475)
  Top Layer region: -13.15,0 -14.75,0 -14.75,-0.8 -15.55,-0.8 -15.55,-2.4 -13.15,-2.4
  Top Layer region: 13.15,0 14.75,0 14.75,-0.8 15.55,-0.8 15.55,-2.4 13.15,-2.4
  Keep-Out Layer region: -12.6,-0.55 -13.15,-0.55 -13.15,-2.25 -12.6,-2.25
  Keep-Out Layer region: 13.15,-0.55 12.6,-0.55 12.6,-2.25 13.15,-2.25
  silkscreen extent -15.25,-5.35 15.25,2.77, body extent -15.25,-5.35 15.25,1.8, height 2.06
MOLX-67503-1020_V [mm] "Mini USB Connector, SMT, Righer Angle"
  rrect50% 2.8x0.5 smd: 1(0,0) 2(0,-0.8) 3(0,-1.6) 4(0,-2.4) 5(0,-3.2)
  rrect50% 3.5x2.05 smd: 6(0.025,3.325) 8(0.025,-6.525)
  rrect50% 4x2.05 smd: 7(-4.225,3.325) 9(-4.225,-6.525)
  round 0.9 hole 0.9 unplated: X(-2.325,-3.8) Y(-2.325,0.6)
  silkscreen extent -8.25,-4.85 2,1.65, body extent -8.22,-6.56 0.78,3.34, height 3.95
ONSC-SOT-323-3-419-04_V [mm] "SOT23, 3-Leads, Body 2x1.25mm, Pitch 0.65mm"
  rect 0.9x0.7 smd: 1(-0.95,0.65) 2(-0.95,-0.65) 3(0.95,0)
  silkscreen extent -1.07,-1.1 0.63,1.67, body extent -0.63,-1 0.63,1, height 1
RESC1608X50X30NL20T20 [mm] "Chip Resistor, 2-Leads, Body 1.60x0.80mm, IPC Medium Density"
  rect 0.9x1 smd: 1(-0.65,0) 2(0.65,0)
  body extent -0.9,-0.5 0.9,0.5, height 0.5
RESC2013X60X35ML10T20 [mm] "Chip Resistor, 2-Leads, Body 2.1x1.35mm, IPC Low Density"
  rect 1.2x1.45 smd: 1(-1,0) 2(1,0)
  silkscreen extent -0.1,-0.63 0.1,0.63, body extent -1.05,-0.68 1.05,0.67, height 0.6
SMD-1210 [mm] "Chip Inductor, 2-Leads, Body 3.2x2.5mm"
  rect 1.35x1.8 smd: 1(-1.675,0) 2(1.675,0)
  silkscreen extent -1.65,-1.25 1.65,1.25, body extent -1.6,-1.25 1.6,1.25, height 1.29
SMTC-TSW-103-08-L-D_V [mm] "CONN, 6-Leads, Body 7.62x5.08mm, Pitch 2.54mm"
  rect 1.55x1.55 hole 1.02: 1(-2.54,-1.27)
  round 1.55 hole 1.02: 2(-2.54,1.27) 3(0,-1.27) 4(0,1.27) 5(2.54,-1.27) 6(2.54,1.27)
  silkscreen extent -4.58,-2.54 3.81,2.54, body extent -3.81,-2.54 3.81,2.54, height 8.38
TI-RGE24-2450X2450TP_V [mm] "QFN, 24-Leads, Body 4x4mm, Pitch 0.5mm, Thermal Pad 2.45x2.45mm"
  oval 0.85x0.28 smd: 1(-1.975,1.25) 2(-1.975,0.75) 3(-1.975,0.25) 4(-1.975,-0.25) 5(-1.975,-0.75) 6(-1.975,-1.25) 13(1.975,-1.25) 14(1.975,-0.75) 15(1.975,-0.25) 16(1.975,0.25) 17(1.975,0.75) 18(1.975,1.25)
  oval 0.28x0.85 smd: 7(-1.25,-1.975) 8(-0.75,-1.975) 9(-0.25,-1.975) 10(0.25,-1.975) 11(0.75,-1.975) 12(1.25,-1.975) 19(1.25,1.975) 20(0.75,1.975) 21(0.25,1.975) 22(-0.25,1.975) 23(-0.75,1.975) 24(-1.25,1.975)
  rect 2.45x2.45 smd: 25(0,0)
  silkscreen extent -2.85,-2.07 2.07,2.07, body extent -2,-2 2,2, height 1
WE-PD2-S [mm] "SMD Inductor, 2-Leads, Body 4.5 x 4.0 mm"
  rect 1.75x4.5 smd: 1(-1.625,0) 2(1.625,0)
  body extent -2.23,-2 2.23,2, height 3.17
WE-TPC-4818-M [mm] "SMD Inductor, 2-Leads, Body 4.8 x 4.8 mm"
  rect 2x5.3 smd: 1(-1.75,0) 2(1.75,0)
  silkscreen extent -0.15,-2.5 0.15,2.5, body extent -2.4,-2.4 2.4,2.4, height 1.79